# KiCad board middle.kicad_pcb (continued)
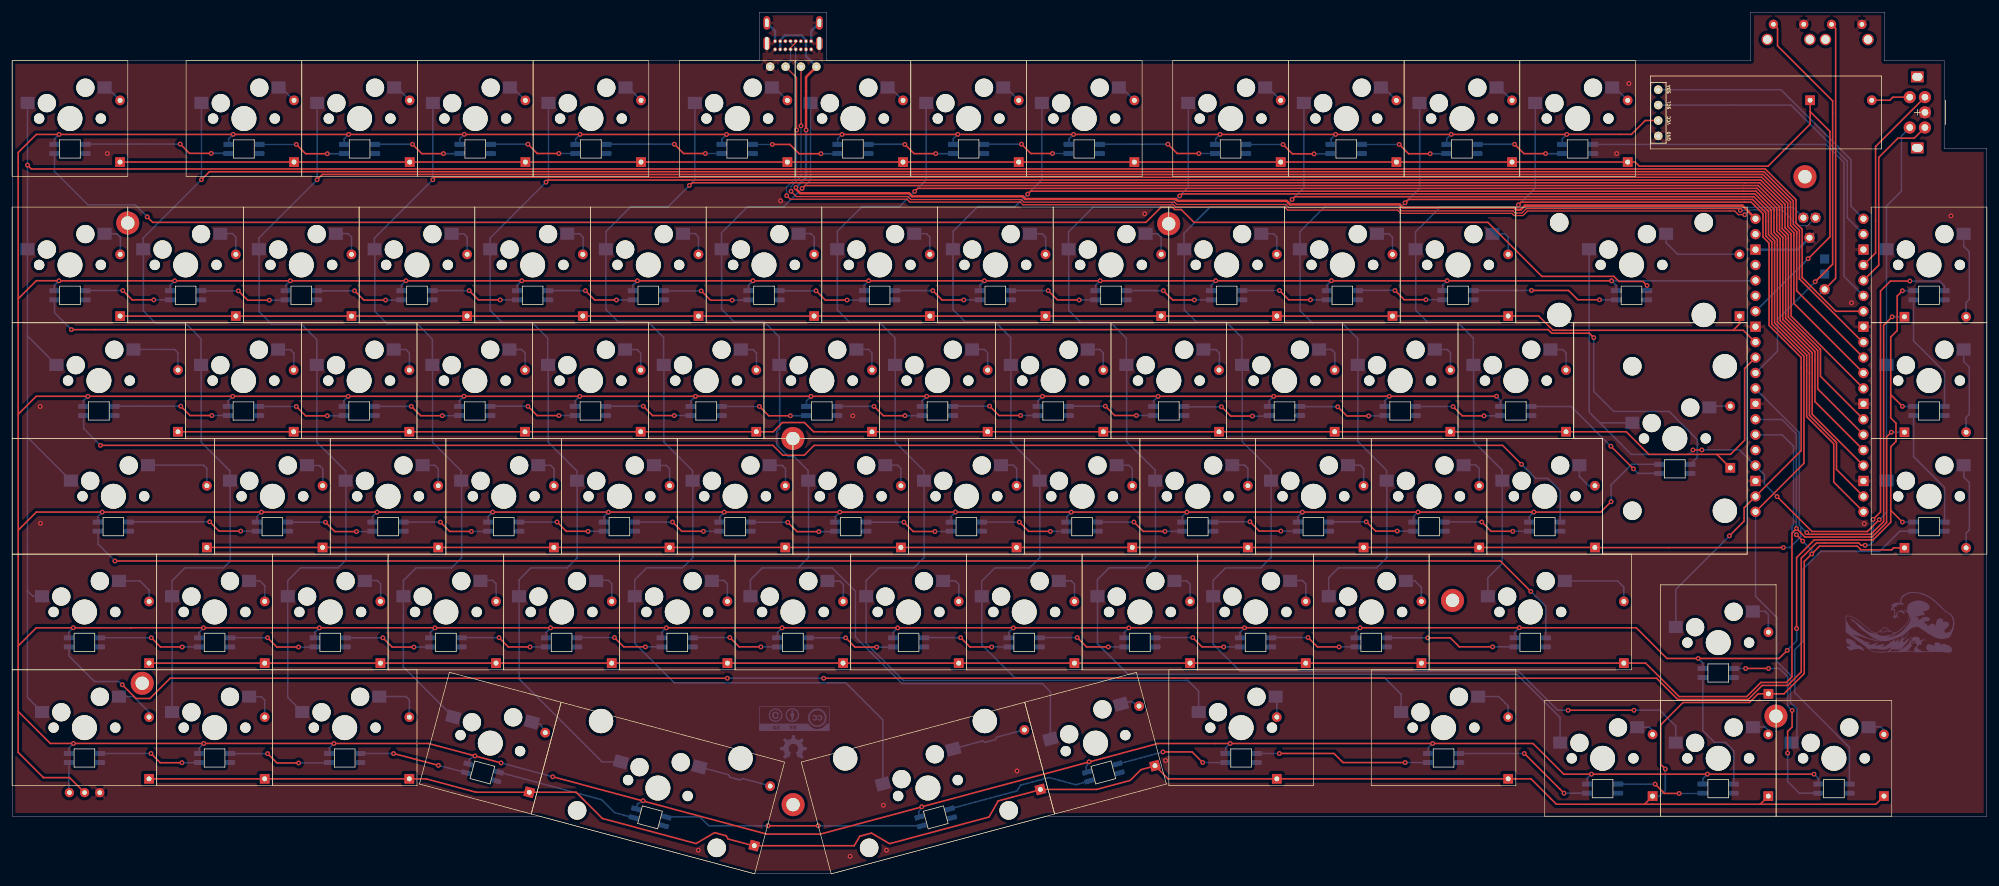
[diagram p0: board, top side]
## Routing (per net, layer and track width the routed paths; a pad name or vN(x,y) marks a point on that pad's centre or on a via; arc(x,y) is an arc through that point) (continued)
col11: length 270.1
  Top w0.254: v1(229.41,110.51) 229.96,111.06 286.63,111.06 288.81,108.88 288.81,105.06 289.81,104.06 289.81,90.53 295.1,85.24 295.1,67.6 U0.21
  Bottom w0.254: 221.65,83.82 221.65,71.17 226.36,66.46 KD11.1 ; 212.12,102.77 212.12,92.72 214.15,90.69 219.07,90.69 221.61,88.15 221.61,83.73 ; KE11.1 216.84,48.78 218.44,50.38 224.69,50.38 226.4,52.09 226.4,64.74 ; KF11.1 293.95,22.52 293.95,27.14 292.89,28.2 292.89,32.72 290.65,34.96 290.65,42.18 287.12,45.71 287.12,59.63 ; 231.8,126.93 231.8,112.9 v1(229.41,110.51) 228.71,109.81 216.16,109.81 212.08,105.73 212.08,102.81
col12: length 227
  Top w0.254: 287.11,62.16 294.64,69.69 294.64,85.04 289.36,90.32 289.36,103.87 288.35,104.88 288.35,108.7 286.44,110.6 248.51,110.6 v1(248.07,110.16) ; U0.22 285.25,60.29 285.25,58.09 v1(282.82,55.66)
  Bottom w0.254: 273.99,40.64 273.99,46.83 v1(282.82,55.66) ; KC12.1 240.65,88.22 238.11,90.76 233.19,90.76 231.16,92.79 231.16,102.84 ; 245.42,64.77 245.42,51.14 243.03,48.75 KE12.1 ; 250.85,126.93 250.85,112.94 v1(248.07,110.16) 247.72,109.81 235.21,109.81 231.13,105.73 231.13,102.81 ; 240.7,83.82 240.7,71.17 245.41,66.46 KD12.1
col13: length 157
  Top w0.254: v1(276.82,69.81) 278.27,69.81 v1(278.28,69.81) ; v1(307.5,58.32) 305.56,56.37 296.43,56.37 v1(290.68,62.12)
  Bottom w0.254: 287.1,67.2 288.58,65.72 288.58,64.22 v1(290.68,62.12) ; 287.1,67.2 284.49,69.81 v1(278.28,69.81) ; 261.46,74.28 266.84,74.28 ; 261.46,74.28 259.73,76.01 259.73,102.78 ; 261.46,74.28 266.66,69.08 276.11,69.08 276.82,69.79 v1(276.82,69.81) ; 308.69,102.85 308.69,109.95 311.16,112.42 311.16,121.53 SWA13.S2 ; v1(307.5,58.32) 308.7,59.52 KF13.1 ; KD13.1 308.7,64.75
D+: length 200.4
  Top w0.2: v1(285.34,108.54) 285.33,108.55 284.3,108.55 283.7,109.15 249.58,109.15 248.84,108.41 247.37,108.41 247.01,108.77 228.69,108.77 228.16,109.3 210.08,109.3 209.56,109.82 191.64,109.82 191.28,110.18 166.49,110.18 166.05,110.62 147.85,110.62 147.37,111.1 128.14,111.1 v1(127.56,111.68) ; 129.05,136.89 128.19,136.03 ; v1(129.2,122.49) 129.2,131.1 JUSB2.2
  Bottom w0.2: 297.01,108.06 295.68,106.73 294.12,106.73 291.52,109.33 286.13,109.33 v1(285.34,108.54) ; JUSB1.A6 128.19,133.73 JUSB2.2 ; v1(129.2,122.49) 129.2,114.73 127.56,113.09 v1(127.56,111.68)
D-: length 195.2
  Top w0.2: v1(128.28,112.4) 129.15,111.53 147.53,111.53 148.02,111.04 166.21,111.04 166.65,110.6 191.44,110.6 191.81,110.23 209.72,110.23 210.24,109.71 228.33,109.71 228.86,109.18 247.17,109.18 247.53,108.82 248.66,108.82 249.39,109.55 284.32,109.55 v1(284.62,109.25) ; JUSB2.3 v1(129.92,123.18)
  Bottom w0.2: 129.06,136 128.2,136.85 ; v1(284.62,109.25) 285.41,109.25 285.9,109.74 293.32,109.74 U0.TP2 ; v1(129.92,123.18) 129.92,114.84 128.28,113.2 v1(128.28,112.4) ; JUSB2.3 129.04,133.79 129.04,135.77
ENCA: length 30.9
  Top w0.254: SWA13.A 313.27,121.15 310.6,121.15 307.42,117.97 307.42,100.24 U0.5
ENCB: length 31.8
  Top w0.254: SWA13.B 306.9,119.78 306.9,119.78 306.9,102.25 304.91,100.26
RESET: length 66.8
  Top w0.254: v1(296.95,97.51) 299.83,100.39 299.83,127.28 290.75,136.36 290.75,139.22 RSW0.1
  Bottom w0.254: v1(296.95,97.51) 290.75,91.31 290.75,86.09 287.1,82.44
RGB_Matrix: length 65.9
  Bottom w0.254: 260.35,120.12 298.75,120.12 301.7,117.17 301.7,98.38 U0.6
RGB_Out: length 4.9
  Bottom w0.254: KF0.4 9.36,13.43
row00: length 324.7
  Top w0.254: v1(295.78,101.3) 299.38,104.9 299.38,122.26 296.12,125.52 ; DA12.1 267.31,117.21 267.99,116.53 289.19,116.53 296.12,123.46 296.12,125.52 ; DA0.1 266.08,117.21 ; 296.12,125.52 296.12,127.4
  Bottom w0.254: U0.34 v1(295.78,101.3)
row01: length 273.9
  Top w0.254: DB0.1 246.39,91.85 ; 287.1,87.52 285.11,89.51 283.44,89.51 ; 283.44,89.51 284.49,90.56 284.49,91.85 ; 283.44,89.51 253.77,89.51 251.41,91.87 246.38,91.87
row02: length 279.3
  Top w0.254: DC12.1 265.83,72.8 269.55,69.08 280.75,69.08 ; 280.75,69.08 283.01,69.08 285.33,71.4 285.33,83.23 U0.31 ; 280.75,69.08 282.96,66.87 ; DC0.1 125.35,72.8 126.87,74.32 130.48,74.32 132,72.8 255.91,72.8
row03: length 342.1
  Top w0.254: 260.68,53.73 v1(291.71,53.73) ; DD11.1 260.69,53.75 ; v1(295.56,56.19) 295.84,55.92 306.13,55.92 308.23,58.02 308.23,90.33 v1(309.63,91.73) ; DD0.1 241.63,53.75
  Bottom w0.254: 287.1,79.9 294.34,72.66 294.34,57.42 v1(295.56,56.19) ; DD13.1 309.64,91.74 v1(309.63,91.73) ; 294.59,57.17 294.59,55.54 292.78,53.73 v1(291.71,53.73)
row04: length 356
  Top w0.254: DE0.1 DE1.1 269.03,34.7 274.54,29.19 285.68,29.19 288.01,31.52 292.2,31.52 293.13,32.45 293.13,55.08 293.13,55.08 293.13,56.14 v1(293.86,56.87) 295.26,55.47 306.32,55.47 308.71,57.86 308.71,71.95 v1(309.49,72.73)
  Bottom w0.254: DE13.1 309.49,72.73 v1(309.49,72.73) ; v1(293.86,56.87) 293.86,72.44 291.48,74.82 287.1,74.82
row05: length 404.4
  Top w0.254: 112.63,4.99 115.68,6.79 117.6,6.27 ; DF0.1 65.42,15.65 ; 268.85,11.47 254.33,11.47 250.15,15.65 DF8.1 190.38,15.65 DF6.1 ; 268.85,11.47 287.9,11.47 ; 268.85,11.47 268.86,11.47 270.19,12.8 ; DF13.1 309.86,53.69 309.53,53.35 304.5,53.35 303.89,53.96 297.67,53.96 296.7,53 296.7,52.99 v1(296.38,52.67) 295.15,51.44 295.15,32.99 291.81,29.65 DF12.1 287.55,29.65 286.12,28.22 275.19,28.22 271.51,24.54 271.51,18.03 v1(272.27,17.27) ; 122.2,4.59 117.91,5.74 ; 141.54,6.7 144.5,4.97 ; 162.4,12.02 160.91,9.38 ; 185.9,17.15 188.23,17.78 ; v1(293.86,55.84) v1(294.9,54.8) ; 287.9,11.47 287.91,11.47 289.24,12.8 ; 287.9,11.47 306.96,11.47 308.3,12.81 ; 169.36,13.87 164.83,12.66 ; DF2.1 68.15,15.65 68.16,15.65 76.38,13.44 76.39,13.44 DF3.1 92.89,13.44 97.2,9.12 112.59,5 ; 184.1,15.37 178.6,13.9 DF5.1 ; 162.38,12 164.87,12.67 ; 117.6,6.27 117.89,5.76 ; DF4.1 138.69,4.64 138.69,4.65 139.6,6.2 141.52,6.71 ; 184.13,15.38 185.91,17.15 ; 160.89,9.36 144.52,4.97
  Bottom w0.254: v1(294.9,54.8) 296.38,53.32 v1(296.38,52.67) ; DF9.1 271.32,12.8 272.27,13.75 v1(272.27,17.27) ; 287.1,72.28 291.53,72.28 293.38,70.43 293.38,57.44 293.13,57.19 293.13,56.57 v1(293.86,55.84)
SCL: length 48.1
  Bottom w0.254: 304.91,105.35 302.24,108.02 302.24,117.34 292.98,126.6 271.08,126.6
SDA: length 47.1
  Bottom w0.254: 271.04,129.13 291.31,129.13 302.85,117.59 302.85,109.93 U0.1
Net-(DA0-Pad2): length 3.4
  Bottom w0.254: 15.22,129.5 15.65,129.5 DA0.2
Net-(DA1-Pad2): length 3.4
  Bottom w0.254: 43.87,129.51 44.29,129.51 DA1.2
Net-(DA2-Pad2): length 3.4
  Bottom w0.254: 62.92,129.5 63.35,129.5 DA2.2
Net-(DA3-Pad2): length 3.4
  Bottom w0.254: 81.97,129.5 82.4,129.5 DA3.2
Net-(DA4-Pad2): length 3.5
  Bottom w0.254: DA4.2 101.44,129.51 101.01,129.51
Net-(DA5-Pad2): length 3.4
  Bottom w0.254: 125.12,129.5 125.55,129.5 DA5.2
Net-(DA6-Pad2): length 3.4
  Bottom w0.254: 144.17,129.49 144.61,129.49 DA6.2
Net-(DA7-Pad2): length 3.4
  Bottom w0.254: 163.22,129.5 163.65,129.5 DA7.2
Net-(DA8-Pad2): length 3.4
  Bottom w0.254: 182.27,129.5 182.7,129.5 DA8.2
Net-(DA9-Pad2): length 3.4
  Bottom w0.254: DA9.2 206.81,129.49 206.38,129.49
Net-(DA10-Pad2): length 3.4
  Bottom w0.254: DA10.2 225.85,129.5 225.43,129.5
Net-(DA11-Pad2): length 3.4
  Bottom w0.254: 244.47,129.5 244.9,129.5 DA11.2
Net-(DA12-Pad2): length 3.4
  Bottom w0.254: 263.53,129.5 263.95,129.5 DA12.2
Net-(DB0-Pad2): length 5.6
  Bottom w0.254: 17.83,102 17.83,104.83 17.27,105.39 15.27,105.39
Net-(DB1-Pad2): length 5.6
  Bottom w0.254: 36.84,102.04 36.84,104.87 36.28,105.43 34.28,105.43
Net-(DB2-Pad2): length 5.6
  Bottom w0.254: 55.9,102.04 55.9,104.87 55.34,105.43 53.34,105.43
Net-(DB3-Pad2): length 5.6
  Bottom w0.254: 74.94,102.02 74.94,104.85 74.38,105.41 72.38,105.41
Net-(DB4-Pad2): length 5.6
  Bottom w0.254: 91.47,105.4 93.47,105.4 94.03,104.84 94.03,102.01
Net-(DB5-Pad2): length 5.6
  Bottom w0.254: 113.04,102.05 113.04,104.88 112.48,105.44 110.48,105.44
Net-(DB6-Pad2): length 5.6
  Bottom w0.254: 132.1,102.05 132.1,104.88 131.54,105.44 129.54,105.44
Net-(DB7-Pad2): length 5.6
  Bottom w0.254: 151.14,102.03 151.14,104.86 150.58,105.42 148.58,105.42
Net-(DB8-Pad2): length 5.6
  Bottom w0.254: 167.66,105.38 169.66,105.38 170.22,104.82 170.22,101.99
Net-(DB9-Pad2): length 5.6
  Bottom w0.254: 189.23,102.03 189.23,104.86 188.67,105.42 186.67,105.42
Net-(DB10-Pad2): length 5.6
  Bottom w0.254: 208.29,102.03 208.29,104.86 207.73,105.42 205.73,105.42
Net-(DB11-Pad2): length 5.6
  Bottom w0.254: 224.77,105.4 226.77,105.4 227.33,104.84 227.33,102.01
Net-(DB12-Pad2): length 5.6
  Bottom w0.254: 243.83,105.42 245.83,105.42 246.39,104.86 246.39,102.03
Net-(DB13-Pad2): length 14.3
  Bottom w0.254: KB13.2 272.4,103.93 274.31,102.02 284.49,102.02
Net-(DC0-Pad2): length 10.4
  Bottom w0.254: 19.99,86.36 26.75,86.36 27.31,85.8 27.31,82.97
Net-(DC1-Pad2): length 5.6
  Bottom w0.254: 43.85,86.31 45.85,86.31 46.41,85.75 46.41,82.92
Net-(DC2-Pad2): length 5.6
  Bottom w0.254: 65.42,82.96 65.42,85.79 64.86,86.35 62.86,86.35
Net-(DC3-Pad2): length 5.6
  Bottom w0.254: 84.48,82.96 84.48,85.79 83.92,86.35 81.92,86.35
Net-(DC4-Pad2): length 5.6
  Bottom w0.254: 103.52,82.94 103.52,85.77 102.96,86.33 100.96,86.33
Net-(DC5-Pad2): length 5.6
  Bottom w0.254: 120.03,86.33 122.03,86.33 122.59,85.77 122.59,82.94
Net-(DC6-Pad2): length 5.6
  Bottom w0.254: 141.6,82.98 141.6,85.81 141.04,86.37 139.04,86.37
Net-(DC7-Pad2): length 5.6
  Bottom w0.254: 160.66,82.98 160.66,85.81 160.1,86.37 158.1,86.37
Net-(DC8-Pad2): length 5.6
  Bottom w0.254: 177.14,86.35 179.14,86.35 179.7,85.79 179.7,82.96
Net-(DC9-Pad2): length 5.6
  Bottom w0.254: 198.82,82.93 198.82,85.76 198.26,86.32 196.26,86.32
Net-(DC10-Pad2): length 5.6
  Bottom w0.254: 215.27,86.36 217.27,86.36 217.83,85.8 217.83,82.97
Net-(DC11-Pad2): length 5.6
  Bottom w0.254: 236.89,82.97 236.89,85.8 236.33,86.36 234.33,86.36
Net-(DC12-Pad2): length 5.6
  Bottom w0.254: 255.93,82.95 255.93,85.78 255.37,86.34 253.37,86.34
Net-(DC13-Pad2): length 3.5
  Bottom w0.254: DC13.2 279.74,77.02 279.54,76.82
Net-(DD0-Pad2): length 12.8
  Bottom w0.254: 22.37,67.31 31.52,67.31 32.08,66.75 32.08,63.92
Net-(DD1-Pad2): length 5.6
  Bottom w0.254: 51.17,63.85 51.17,66.68 50.61,67.24 48.61,67.24
Net-(DD2-Pad2): length 5.6
  Bottom w0.254: 70.18,63.89 70.18,66.72 69.62,67.28 67.62,67.28
Net-(DD3-Pad2): length 5.6
  Bottom w0.254: 86.68,67.28 88.68,67.28 89.24,66.72 89.24,63.89
Net-(DD4-Pad2): length 5.6
  Bottom w0.254: 108.28,63.87 108.28,66.7 107.72,67.26 105.72,67.26
Net-(DD5-Pad2): length 5.6
  Bottom w0.254: 124.81,67.27 126.81,67.27 127.37,66.71 127.37,63.88
Net-(DD6-Pad2): length 5.6
  Bottom w0.254: 146.38,63.92 146.38,66.75 145.82,67.31 143.82,67.31
Net-(DD7-Pad2): length 5.6
  Bottom w0.254: 162.88,67.31 164.88,67.31 165.44,66.75 165.44,63.92
Net-(DD8-Pad2): length 5.6
  Bottom w0.254: 181.92,67.29 183.92,67.29 184.48,66.73 184.48,63.9
Net-(DD9-Pad2): length 5.6
  Bottom w0.254: 200.97,67.32 202.97,67.32 203.53,66.76 203.53,63.93
Net-(DD10-Pad2): length 5.6
  Bottom w0.254: 220.03,67.29 222.03,67.29 222.59,66.73 222.59,63.9
Net-(DD11-Pad2): length 5.6
  Bottom w0.254: 239.07,67.33 241.07,67.33 241.63,66.77 241.63,63.94
Net-(DD12-Pad2): length 5.1
  Bottom w0.254: 260.68,63.91 259.65,63.91 258.11,65.45 258.11,67.29
Net-(DD13-Pad2): length 14.3
  Bottom w0.254: 321.41,105.4 321.41,103.36 322.33,102.44 322.33,94.64 ; 321.79,91.66 321.79,94.07 322.33,94.61
Net-(DE0-Pad2): length 7.4
  Bottom w0.254: KE0.2 21.05,48.24 22.55,46.74 DE0.2
Net-(DE1-Pad2): length 5.5
  Bottom w0.254: 39.04,48.25 40.81,48.25 41.6,47.46 DE1.2
Net-(DE2-Pad2): length 5.6
  Bottom w0.254: 58.13,48.3 60.13,48.3 60.69,47.74 60.69,44.91
Net-(DE3-Pad2): length 5.6
  Bottom w0.254: 77.14,48.34 79.14,48.34 79.7,47.78 79.7,44.95
Net-(DE4-Pad2): length 5.6
  Bottom w0.254: 98.76,44.95 98.76,47.78 98.2,48.34 96.2,48.34
Net-(DE5-Pad2): length 5.6
  Bottom w0.254: 117.8,44.93 117.8,47.76 117.24,48.32 115.24,48.32
Net-(DE6-Pad2): length 5.6
  Bottom w0.254: 136.9,44.82 136.9,47.65 136.34,48.21 134.34,48.21
Net-(DE7-Pad2): length 5.6
  Bottom w0.254: 153.35,48.25 155.35,48.25 155.91,47.69 155.91,44.86
Net-(DE8-Pad2): length 5.6
  Bottom w0.254: 174.97,44.86 174.97,47.69 174.41,48.25 172.41,48.25
Net-(DE9-Pad2): length 5.6
  Bottom w0.254: 191.45,48.23 193.45,48.23 194.01,47.67 194.01,44.84
Net-(DE10-Pad2): length 5.6
  Bottom w0.254: 210.5,48.31 212.5,48.31 213.06,47.75 213.06,44.92
Net-(DE11-Pad2): length 5.3
  Bottom w0.254: DE11.2 232.1,47.17 231.02,48.24 KE11.2
Net-(DE12-Pad2): length 12.5
  Bottom w0.254: 265.44,44.86 265.44,47.2 264.39,48.24 KE12.2
Net-(DE13-Pad2): length 14.3
  Bottom w0.254: 321.41,86.4 321.41,84.36 322.33,83.44 322.33,75.67 ; 322.33,75.68 321.79,75.14 321.79,72.73 ; 321.4,86.35 321.4,86.35
Net-(DF0-Pad2): length 6.8
  Bottom w0.254: 22.55,25.8 22.55,26.64 19.99,29.2 17.61,29.2
Net-(DF1-Pad2): length 5.6
  Bottom w0.254: 41.6,25.78 41.6,28.61 41.04,29.17 39.04,29.17
Net-(DF2-Pad2): length 8
  Bottom w0.254: 60.47,29.2 64.86,29.2 65.42,28.64 65.42,25.81
Net-(DF3-Pad2): length 3.5
  Bottom w0.254: 87.05,24.6 88.05,22.87 ; 87.02,24.61 85.56,25
Net-(DF4-Pad2): length 12.1
  Bottom w0.254: 119.92,15.45 118.22,15.91 117.98,16.32 113.12,17.62 ; 120.32,15.69 119.9,15.45 ; 124.3,14.63 120.31,15.69 ; 124.41,14.44 124.31,14.62
Net-(DF5-Pad2): length 11.9
  Bottom w0.254: 154.97,20.59 159.83,21.89 160.25,21.65 161.95,22.11 ; 166.16,23.58 162.18,22.52 ; 162.18,22.52 161.94,22.1
Net-(DF6-Pad2): length 3.7
  Bottom w0.254: 184.25,28.4 185.98,27.4 ; 184.22,28.4 182.61,27.97
Net-(DF7-Pad2): length 2.8
  Bottom w0.254: 208.29,25.82 208.29,28.65
Net-(DF8-Pad2): length 7.4
  Bottom w0.254: KF8.2 244.83,29.19 246.39,27.64 246.39,25.81
Net-(DF9-Pad2): length 3.4
  Bottom w0.254: 267.65,24.15 269.65,24.15 270.19,23.61 270.19,22.96
Net-(DF10-Pad2): length 3.5
  Bottom w0.254: 289.24,22.96 289.24,23.65 288.7,24.19 286.7,24.19
Net-(DF11-Pad2): length 3.5
  Bottom w0.254: 308.3,22.96 308.3,23.65 307.74,24.21 305.74,24.21
Net-(DF12-Pad2): length 5.6
  Bottom w0.254: 286.69,43.24 288.69,43.24 289.25,42.68 289.25,39.85
Net-(DF13-Pad2): length 14.3
  Bottom w0.254: DF13.2 321.81,56.09 322.35,56.63 322.35,64.42 321.43,65.34 321.43,67.38 ; 321.38,67.31 321.39,67.3

## Copper pours and planes (outline as drawn; the poured copper is in the pictures)
GND on Top: 337.19,-5.39 -7.34,-6.37 -6.87,144.9 336.77,145.25
GND on Bottom: 337.14,-5.45 -7.39,-6.43 -6.92,144.84 336.72,145.19

## Text on the board
B.Silkscreen: GND | D+ | D- | +5V | RGB matrix / Output | VCC | JLCJLCJLCJLC | Kanagawa - rev 2.0 by Ciaanh
